# Altium PCB EMG_PCB.PcbDoc
Units mm, origin at the board's own origin, x right, y up, seen from the top; angles counter-clockwise.
Board outline 37.6 x 21.5 mm, 2 copper layers (Top Layer, Bottom Layer); 29 components, 23 nets, 87 pads, 161 vias.
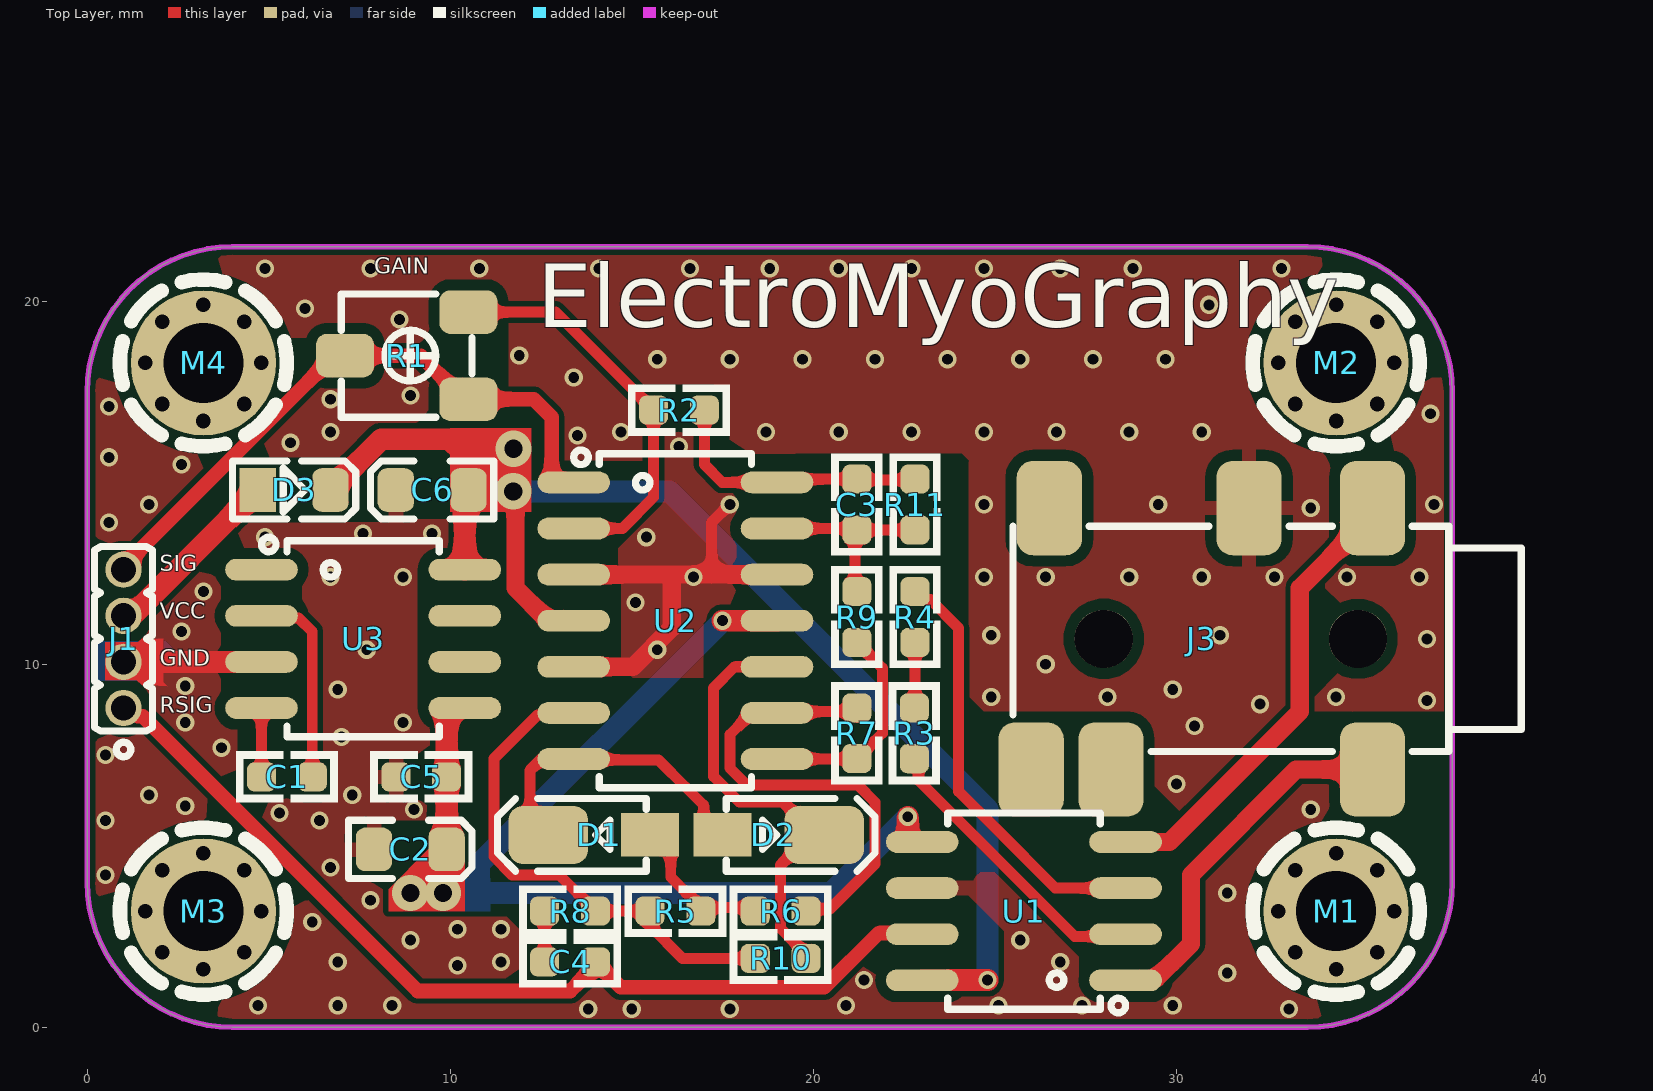
[diagram p0: Top Layer view]
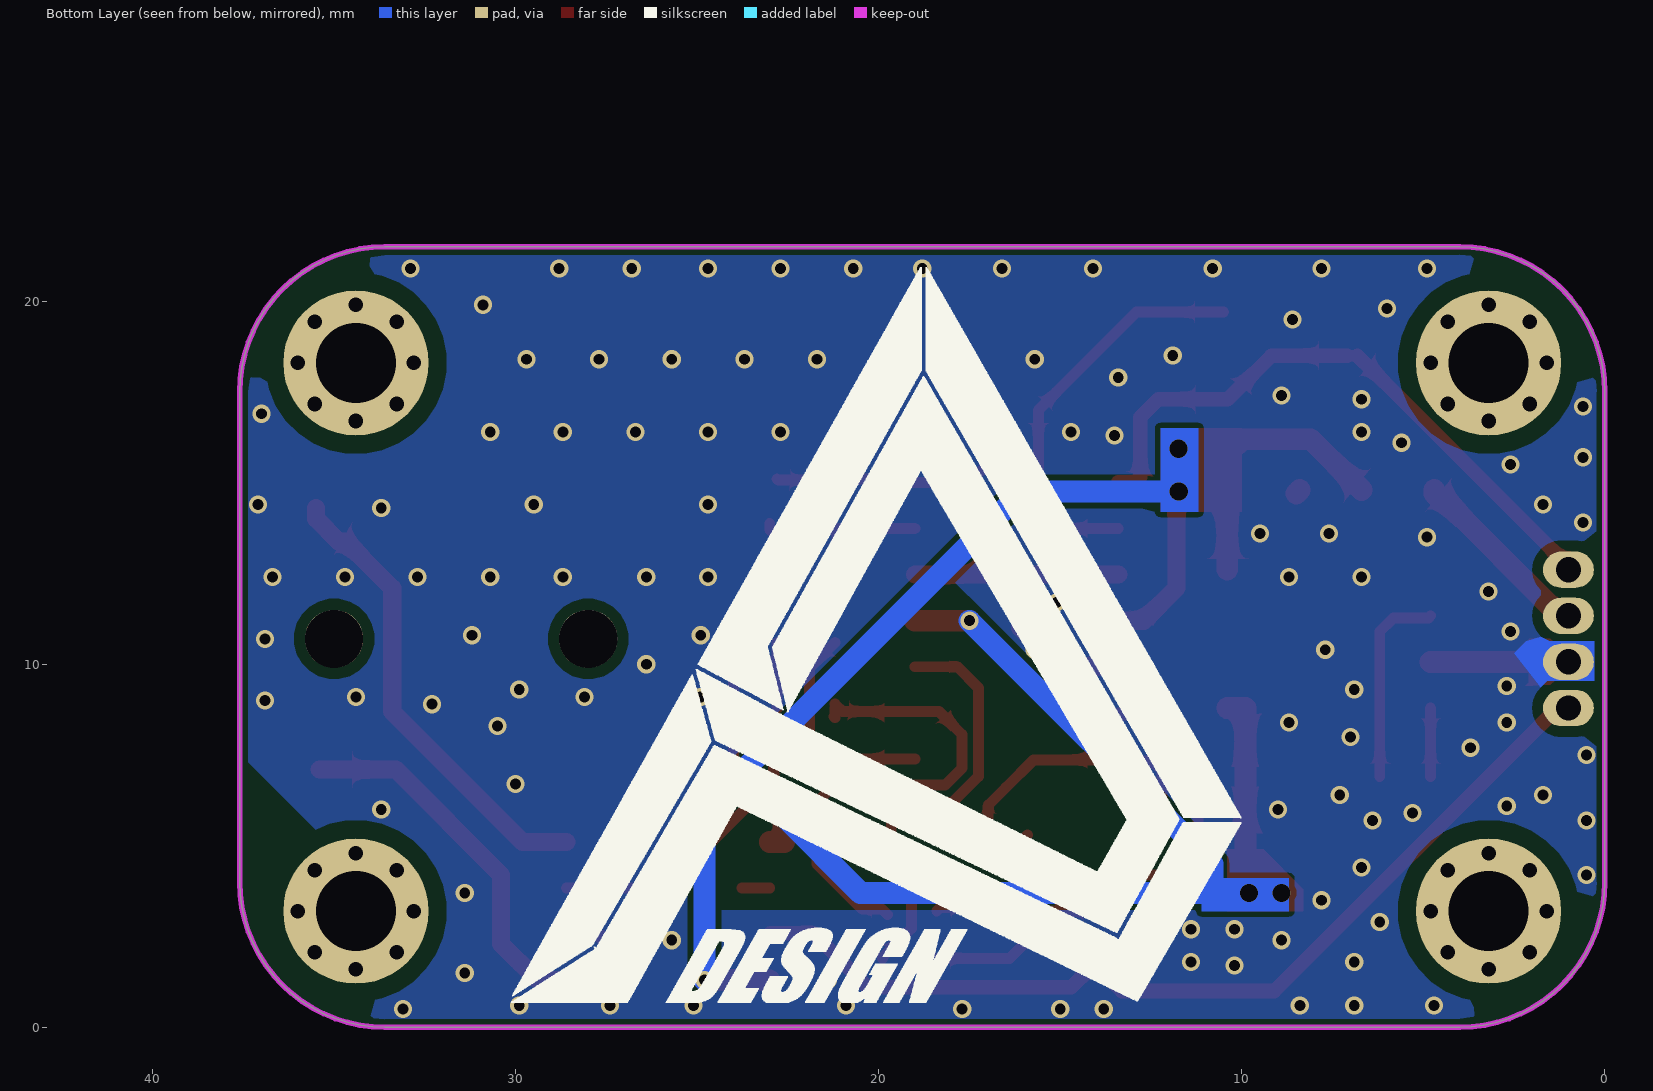
[diagram p1: Bottom Layer view, seen from below]

## Layer stack, top to bottom
Top Solder: solder mask 0.0102, Solder Resist, Dk 3.5
Top Layer: signal copper 0.0356
Dielectric 1: dielectric 0.32, FR-4, Dk 4.8
Bottom Layer: signal copper 0.0356
Bottom Solder: solder mask 0.0102, Solder Resist, Dk 3.5

## Board outline
0,4 ccw(c4,4) 4,0 33.6,0 ccw(c33.6,4) 37.6,4 37.6,17.5 ccw(c33.6,17.5) 33.6,21.5 4,21.5 ccw(c4,17.5) 0,17.5

## Design rules (kind name [scope] priority, off if disabled: settings)
Clearance [All] p1: gap=0.15 ignorepadtopadclearanceinfootprint=FALSE except(0.3: SMDPad-Poly THPad-Poly)
DiffPairsRouting [All] p1: maxlimit=0.254 minlimit=0.15 mostfreqgap=0.15 toplayer_minwidth=0.15 toplayer_maxwidth=10 toplayer_prefwidth=0.15 bottomlayer_minwidth=0.15 bottomlayer_maxwidth=10 bottomlayer_prefwidth=0.15 maxuncoupledlength=12.7
HoleSize [All] p1: absolutevalues=TRUE maxlimit=10 minlimit=0.5 maxpercent=80.000 minpercent=20.000
HoleToHoleClearance [All] p1: gap=0.3 allowstackedmicrovias=TRUE
PlaneClearance [All] p1: clearance=0.3
PlaneConnect [All] p1: planeconnectstyle=Relief reliefexpansion=0.5 reliefentries=4 reliefconductorwidth=0.4 reliefairgap=0.3
PolygonConnect PolygonConnect_Via [All vs IsVia] p1: connectstyle=Direct reliefconductorwidth=0.254 reliefentries=4 polygonreliefangle="90 Angle" airgapwidth=0.254
PolygonConnect PolygonConnect_Pad [All] p2: connectstyle=Relief reliefconductorwidth=0.4 reliefentries=4 polygonreliefangle="90 Angle" airgapwidth=0.3
RoomDefinition EMG_SCH [InComponentClass('EMG_SCH')] p1: confinementstyle=ConfineIn formatcopy=TRUE lockcomponents=FALSE outline 49.6,2.1 152.2,2.1 152.2,22.3 49.6,22.3
RoutingVias [All] p1: holewidth=3 width=0.5 viastyle="Through Hole" minholewidth=0.3 minwidth=0.5 maxholewidth=0.3 maxwidth=0.5
SolderMaskExpansion [All] p1: expansion=0.102 istentingtop=FALSE
Width [All] p1: maxlimit=10 minlimit=0.15 preferedwidth=0.15
25 further rules are at their usual default settings.

## Components (designator, comment, footprint, x,y, rotation, side; value= is the part's Value field where it differs from the comment)
C1 "10uF" C0603 5.5,6.9 r180 top
C2 "1uF" C_TN_2012 8.9,4.9 r180 top
C3 "1uF" C0603 21.2,14.4 r90 top
C4 "10nF" C0603 13.3,1.8 r180 top
C5 "10uF" C0603 9.2,6.9 r0 top
C6 "1uF" C_TN_2012 9.5,14.8 r0 top
D1 "1N4148" D_SOD123w 13.9,5.3 r180 top
D2 "1N4148" D_SOD123w 19.1,5.3 r0 top
D3 "BAS316" D_SOD323 5.7,14.8 r0 top
J1 "HDR1X4" HDRMINI_M_1X4 1,10.7 r90 top value=HDRMINI_4
J3 "AudioJack" JCKAS_PJ311D 29.6,10.7 r270 top
M1 "DNP/MH" SCMH_M2#1 34.4,3.2 r0 top
M2 "DNP/MH" SCMH_M2#2 34.4,18.3 r0 top
M3 "DNP/MH" SCMH_M2#2 3.2,3.2 r0 top
M4 "DNP/MH" SCMH_M2#2 3.2,18.3 r0 top
R1 "POT100K" POTS_3MM 8.9,18.5 r90 top
R2 "1K" R0603 16.3,17 r0 top
R3 "220" R0603 22.781,8.098 r270 top
R4 "20" R0603 22.8,11.3 r270 top
R5 "150K" R0603 16.2,3.2 r180 top
R6 "150K" R0603 19.1,3.2 r180 top
R7 "150K" R0603 21.2,8.1 r90 top
R8 "150K" R0603 13.3,3.2 r180 top
R9 "80.6K" R0603 21.2,11.3 r270 top
R10 "150K" R0603 19.1,1.9 r180 top
R11 "80.6K" R0603 22.8,14.4 r270 top
U1 "AD8221ARZ" SO_8 25.8,3.2 r180 top
U2 "TL084" SO_14 16.2,11.2 r0 top
U3 "ICL7660" SO_8 7.6,10.7 r0 top

## Footprints (in the part's own frame and the unit in brackets; to place one, negate y for a bottom-side part, rotate by r counter-clockwise, add the part's x,y. Pads: shape width x height; smd on the part's side, far side on the other; paste and mask are expansions set on the pad)
C0603 [mm] "CHIP Capacitor, 1.6X0.8mm, 0603 OPTIMIZED"
  rrect50% 0.8x0.8 smd paste-5 mask+0.075: 1(-0.7,0) 2(0.7,0)
  Top Layer pour cut-out: -0.5,0.4 0.5,0.4 0.5,-0.4 -0.5,-0.4
  silkscreen extent -1.4,-0.7 1.4,0.7, body extent -0.8,-0.4 0.8,0.4, height 0.9
C_TN_2012 [mm] "CAPACITOR, TAN N, TAN P, TAN R, 0805P, 2X1.3mm"
  rrect50% 1x1.2 smd mask+0.075: 1(-1,0) 2(1,0)
  Top Layer pour cut-out: -0.5,0.8 0.5,0.8 0.5,-0.8 -0.5,-0.8
  silkscreen extent -1.7,-0.8 1.7,0.8, body extent -1.04,-0.69 1.21,0.66, height 1.35
D_SOD123w [mm] "PowerDI-123, SOD123, DO-213AA, 1206D"
  rect 1.6x1.2 smd paste-0.1 mask+0.1: 1(-1.6,0)
  rrect50% 2.2x1.6 smd paste-0.1 mask+0.1: 2(1.2,0)
  Top Layer pour cut-out: -1.016,1.1 -1.016,-1.1 1.016,-1.1 1.016,1.1
  silkscreen extent -1.5,-1 2.6,1, body extent -1.95,-0.97 1.95,0.96, height 1
D_SOD323 [mm] "DIODE0805, SOD-323, SC-76, DL-35, 0805 similar size"
  rect 1x1.2 smd paste-2 mask+0.075: 1(-1,0)
  rrect50% 1x1.2 smd paste-2 mask+0.075: 2(1,0)
  Top Layer pour cut-out: -0.5,0.8 0.5,0.8 0.5,-0.8 -0.5,-0.8
  silkscreen extent -1.7,-0.8 1.7,0.8, body extent -1.25,-0.68 1.25,0.67, height 1
HDRMINI_M_1X4 [mm] "mini header (50mil pitch)"
  round 1 / inner round 1 / far side oval 1x1.4 hole 0.7 mask+0.05: 1(-1.905,0) 2(-0.635,0) 3(0.635,0) 4(1.905,0)
  silkscreen extent -3.25,-0.8 2.54,0.8, body extent -2.54,-0.64 2.54,0.64, height 7.3
JCKAS_PJ311D [mm] "Jack, Audio, Stereo, 3.5mm, RA, SMD"
  rrect50% 2.6x1.8 smd: 1(-3.6,5.8) 2(3.6,5.8) 3(-3.6,2.4) 4(3.6,-1.4) 5(3.6,-3.6) 6(-3.6,-3.1)
  round 1.6 hole 1.6 unplated: ""(0,5.4) ""(0,-1.6)
  silkscreen extent -3.1,-4.1 3.1,9.9, body extent -4.5,-6 4.5,13, height 5
POTS_3MM [mm] "POT SMD, 3.0X3.0mm, Trimming PVG3A PVZ3A"
  rrect50% 1.2x1.6 smd: 1(-1.2,-1.6) 2(0,1.8) 3(1.2,-1.6)
  silkscreen extent -1.7,-1.7 1.7,1.9, body extent -1.55,-1.85 1.55,1.84, height 1.95
R0603 [mm] "CHIP Resistor 1/10 WATT, 1.6x0.8mm, 0603, OPTIMIZED"
  rrect50% 0.8x0.8 smd paste-5 mask+0.075: 1(-0.7,0) 2(0.7,0)
  Top Layer pour cut-out: -0.5,0.4 0.5,0.4 0.5,-0.4 -0.5,-0.4
  silkscreen extent -1.4,-0.7 1.4,0.7, body extent -0.85,-0.4 0.85,0.4, height 0.56
SCMH_M2#1 [mm] "SCREW mouting, M2, 2.0mm diameter and 4.0mm PanHead"
  round 4 / inner round 2.5 / far side round 4 hole 2.2 mask+0.1: r(0,0)
  Top Layer pour cut-out: 0,2.5 -0.957,2.31 -1.768,1.768 -2.31,0.957 -2.5,0 -2.5,0 -2.31,-0.957 -1.768,-1.768 -0.957,-2.31 0,-2.5 0,-2.5 1.25,-2.165 2.165,-1.25 2.5,0 2.5,0 2.31,0.957 1.768,1.768 0.957,2.31 0,2.5
  Bottom Layer pour cut-out: 0,2.5 -0.957,2.31 -1.768,1.768 -2.31,0.957 -2.5,0 -2.5,0 -2.31,-0.957 -1.768,-1.768 -0.957,-2.31 0,-2.5 0,-2.5 1.25,-2.165 2.165,-1.25 2.5,0 2.5,0 2.31,0.957 1.768,1.768 0.957,2.31 0,2.5
  silkscreen extent -2.3,-2.3 2.3,2.3
SCMH_M2#2 [mm] "SCREW mouting, M2, 2.0mm diameter and 4.0mm PanHead"
  round 4 / inner round 2.5 / far side round 4 hole 2.2 mask+0.1: 1(0,0)
  Top Layer pour cut-out: 0,2.5 -0.957,2.31 -1.768,1.768 -2.31,0.957 -2.5,0 -2.5,0 -2.31,-0.957 -1.768,-1.768 -0.957,-2.31 0,-2.5 0,-2.5 1.25,-2.165 2.165,-1.25 2.5,0 2.5,0 2.31,0.957 1.768,1.768 0.957,2.31 0,2.5
  Bottom Layer pour cut-out: 0,2.5 -0.957,2.31 -1.768,1.768 -2.31,0.957 -2.5,0 -2.5,0 -2.31,-0.957 -1.768,-1.768 -0.957,-2.31 0,-2.5 0,-2.5 1.25,-2.165 2.165,-1.25 2.5,0 2.5,0 2.31,0.957 1.768,1.768 0.957,2.31 0,2.5
  silkscreen extent -2.3,-2.3 2.3,2.3
SO_8 [mm] "SOP-8, 5x3.9mm body 1.27mm pitch, SOT96-1, M08A, S8, SOIC8, VO8, MS-012AA(JEDEC), R-8, 8S2, VOG8"
  oval 2x0.6 smd: 1(-2.8,1.905) 2(-2.8,0.635) 3(-2.8,-0.635) 4(-2.8,-1.905) 5(2.8,-1.905) 6(2.8,-0.635) 7(2.8,0.635) 8(2.8,1.905)
  silkscreen extent -2.8,-2.7 2.1,2.8, body extent -3,-2.45 3,2.45, height 1.7
SO_14 [mm] "SOP, SOIC, 3.9mm width, 1.27mm pitch,"
  oval 2x0.6 smd: 1(-2.8,3.81) 2(-2.8,2.54) 3(-2.8,1.27) 4(-2.8,0) 5(-2.8,-1.27) 6(-2.8,-2.54) 7(-2.8,-3.81) 8(2.8,-3.81) 9(2.8,-2.54) 10(2.8,-1.27) 11(2.8,0) 12(2.8,1.27) 13(2.8,2.54) 14(2.8,3.81)
  silkscreen extent -2.8,-4.6 2.1,4.7, body extent -3.1,-4.38 3.1,4.37, height 1.75

## Part data
C1 C3 C4 C5: library part CAP_SMD_MLCC_0402, "CAP, MLCC, -F, -V, MATERIAL, -%, 0201", ASSEMBLY=ASSEMBLY, MANF=-, MANF_P#=MANF_PART#, PARAM="-, -%", PARAM2=-V, PRICE="100= 1$"
C2 C6: library part CAP_SMD_TAN_2012, "CAP, SMD, TAN,", PARAM2=-V
D1 D2: library part DIODE_SMD_1N4148WT_SOD523, "DIODE, FAST SWTICHING, 0.2A", ASSEMBLY=ASSEMBLY, DESC=DESCRIPTION, MANF="Diodes, MCC", MANF_P#="1N4148X-TP, 1N4148WT-7, 1N4148WTQ-7", PARAM=200~300mA, PARAM2=75V, PRICE=0.2$
D3: library part DIODE_SMD_SCHOTTKY_SS16HE, "DIODE, SCHOTTKY, 60V, 1A", ASSEMBLY=ASSEMBLY, DESC=DESCRIPTION, MANF=ON, MANF_P#=SS16HE, PARAM=1A, PARAM2="60V, -55~150oC", PRICE=0.4$
J1: library part HDRMINI_M_1X4, "CONN, HEADER, Male, pitch: 1.27mm, 4POS"
J3: library part JACKA3.5SMD_STX-3500-3, "Jack, Audio, Stereo, 3.5mm, RA, SMD", ASSEMBLY=ASSEMBLY, DESC=DESCRIPTION, DIST#=MOUSER, MANF=Kycon, MANF_P#=STX-3500-3NTR, PARAM=PARAM, PRICE=1.6$
M1 M2 M3 M4: library part SCMH_M2, "SCREW mouting, M2, 2.0mm diameter and 4.0mm PanHead", ASSEMBLY=DNP
R1: library part RES_SMD_POT, "RESISTOR, SMD, Potentiometer"
R2 R3 R4 R5 R6 R7 R8 R9 R10 R11: library part RES_SMD_0402, "RESISTOR, SMD", ASSEMBLY=ASSEMBLY, DESC=DESCRIPTION, DIST#=MOUSER, MANF=-, MANF_P#=-, PARAM=-W, PARAM2=1%, PRICE="100= 0.5$"
U1: library part AD8226, "Wide Supply Range, Rail-to-Rail / Output Instrumentation Amplifier", MANF="ANALOG DEVICES"
U2: "Low Cost JFET Input / Operational Amplifiers", MANF="ANALOG DEVICES"
U3: library part VREG_ICL7660_SOP8, "Voltage Converter +5V to ±5V Supplies", MANF=INTERSIL, MANF_P#=ICL7660AIBAZA, PARAM="0.04A. -40~85oC", PARAM2=1.5~12VIN, PRICE=1.8$

## Via types
v1: diameter 0.5/0.5 (per signal layer), hole 0.3, Top Layer to Bottom Layer, tented both sides, 87 vias
v2: diameter 0.5, hole 0.3, Top Layer to Bottom Layer, tented both sides, 38 vias
v3: diameter 0.6, hole 0.4, Top Layer to Bottom Layer, 32 vias
v4: diameter 1/0.5 (per signal layer), hole 0.5, Top Layer to Bottom Layer, tented both sides, 4 vias

## Nets (pads, with @x,y where several pads share a name; then routed paths per layer and width w, separated by ;. In a path a pad name is that pad's centre, name@x,y a point inside that pad or via, vN(x,y) a via of type N, cw(c..) or ccw(c..) an arc to the next point about the centre after c; other vN are vias at no path point)
+VS: C6.2 D3.2 U1.8 U2.4 U3.8 | length 36.7
  Top Layer w0.3: C6.2 C6.2@10.519,14.781
  Top Layer w0.5: C6.2@10.519,14.781 11.715,14.781 v4(11.734,14.761) 11.8,14.695 11.8,12.1 12.7,11.2 U2.4
  Top Layer w0.6: D3.2 8.099,16.199 9.976,16.199 10.328,15.847 10.328,14.872 C6.2@10.4,14.8 ; U3.8 C6.2@10.4,14.7 ; C6.2@10.5,14.7 C6.2 ; U1.8 23.7,1.295 23.705,1.3 v2(24.8,1.3)
  Bottom Layer w0.6: v4(11.734,14.761) 16.039,14.761 24.8,6 v2(24.8,1.3)
  other v4: 11.741,15.937
-VS: C2.1 C5.2 U1.5 U2.11 U3.5 | length 31.1
  Top Layer w0.6: C2.1 C5.2 9.9,8.795 U3.5 ; v2(17.5,11.2) 18.3,11.2 U2.11 ; v2(22.6,5.8) 22.6,5.105 U1.5
  Bottom Layer w0.6: v4(9.8,3.7) 10.5,3.7 ; v2(17.5,11.2) 10.8,4.5 10.8,4 10.5,3.7 ; v2(22.6,5.8) 20.5,3.7 10.5,3.7
  other v4: 8.9,3.7
END: J3.2 U1.1 | length 10.3
  Top Layer w0.5: U1.1 29.327,1.295 29.377,1.345 29.445,1.345 30.4,2.3 30.4,4.2 33.3,7.1 J3.2
GND: C2.2 C5.1 C6.1 J1.2 J3.3 U1.6 U2.3 U2.5 U2.12 U3.3 | length 17
  Top Layer w0.3: 16.1,12.37 16.2,12.47 ; 17.2,12.47 17.2,13.9 v2(17.7,14.4) ; U1.6 U1.6@23.765,3.835
  Top Layer w0.5: U2.5 15.03,9.93 16.1,11 16.1,12.37 ; U2.3 16.2,12.47 17.2,12.47 U2.12
  Top Layer w0.6: J1.2@1.1,10.065 2.7,10.065 U3.3 ; C6.1@8.4,14.8 C6.1@8.5,14.7
  other v1: 13.8,0.5 15,0.5 17.7,0.5 33.1,0.5 4.7,0.6 6.9,0.6 8.4,0.6 20.9,0.6 25.1,0.6 27.4,0.6 29.9,0.6 21.4,1.3 31.4,1.5 10.2,1.7 6.9,1.8 11.4,1.8 26.8,1.8 8.9,2.4 10.2,2.7 11.4,2.7 6.2,2.9 7.8,3.5 31.4,3.7 0.5,4.2 0.5,5.7 6.4,5.7 5.3,5.9 9,6 33.7,6 2.7,6.1 7.3,6.4 30,6.7 0.5,7.5 3.7,7.7 7,8 30.5,8.3 32.3,8.9 36.9,9 24.9,9.1 28.1,9.1 34.4,9.1 6.9,9.3 29.9,9.3 2.7,9.4 26.4,10 36.9,10.7 24.9,10.8 31.2,10.8 2.6,10.9 15.1,11.7 3.2,12 26.4,12.4 4.9,13.5 15.4,13.5 7.6,13.6 9.5,13.6 0.6,13.9 33.7,14.3 24.7,14.4 29.5,14.4 37.1,14.4 2.6,15.5 0.6,15.7 16.3,16 5.6,16.1 13.5,16.3 37,16.9 0.6,17.1 6.7,17.3 8.9,17.4 13.4,17.9 11.9,18.5 8.6,19.5 6,19.8 30.9,19.9 4.9,20.9 7.8,20.9 10.8,20.9 14.1,20.9 16.6,20.9 18.8,20.9 20.7,20.9 22.7,20.9 24.7,20.9 26.8,20.9 28.8,20.9 32.9,20.9
  other v2: 25.7,2.4 6.7,4.4 1.7,6.4 2.7,8.4 8.7,8.4 7.7,10.4 15.7,10.4 6.7,12.4 8.7,12.4 16.7,12.4 24.7,12.4 28.7,12.4 30.7,12.4 32.7,12.4 34.7,12.4 36.7,12.4 1.7,14.4 6.7,16.4 14.7,16.4 18.7,16.4 20.7,16.4 22.7,16.4 24.7,16.4 26.7,16.4 28.7,16.4 30.7,16.4 15.7,18.4 17.7,18.4 19.7,18.4 21.7,18.4 23.7,18.4 25.7,18.4 27.7,18.4 29.7,18.4
MID: J3.1 U1.4 | length 12.9
  Top Layer w0.5: U1.4 29.805,5.105 33.4,8.7 33.4,12.1 34.673,13.373 34.865,13.373 35.5,14.008 J3.1@35.5,14.3
NetC1_1: C1.1 U3.2 | length 5.6
  Top Layer w0.3: U3.2 4.857,11.278 5.822,11.278 6.2,10.9 C1.1
NetC1_2: C1.2 U3.4 | length 1.9
  Top Layer w0.3: C1.2 U3.4
NetC3_1: C3.1 R9.1 R11.2 U2.13 | length 5.7
  Top Layer w0.3: U2.13 21.14,13.74 21.146,13.734 21.146,12.054 R9.1 ; C3.1 21.206,13.694 22.794,13.694 R11.2 ; R11.2@23,13.7 R11.2@23,13.873
NetC4_2: C4.2 R8.2 | length 1.4
  Top Layer w0.3: C4.2 R8.2
NetD1_1: D1.1 R5.1 R6.2 | length 4.1
  Top Layer w0.3: D1.1@15.9,5.3 16.074,5.126 16.074,4.139 16.681,3.533 16.681,3.446 16.932,3.195 17.037,3.3 18.3,3.3 R6.2
NetD1_2: D1.2 D2.1 U2.7 | length 8.3
  Top Layer w0.3: D1.2@12.2,5.3 12.2,7.078 12.455,7.333 13.343,7.333 U2.7 13.425,7.365 15.735,7.365 16.5,6.6 16.982,6.118 16.982,5.75 17.432,5.3 D2.1
NetD2_2: D2.2 R10.1 U2.10 | length 11.7
  Top Layer w0.3: U2.10 17.83,9.93 17.25,9.35 17.25,6.914 17.964,6.2 19.174,6.2 19.652,5.722 19.652,5.026 19.1,4.474 19.1,2.727 19.65,2.177 19.9,1.927 R10.1@19.9,1.9
NetD3_1: D3.1 J1.3 | length 5.2
  Top Layer w0.6: J1.3 1.077,11.412 1.312,11.412 4.4,14.5 4.5,14.5 4.7,14.7 D3.1
NetR1_3: R1.3 R2.1 U2.2 | length 11.2
  Top Layer w0.3: R1.3 12.9,19.7 R2.1 15.6,14.6 14.74,13.74 U2.2
NetR3_1: R3.1 R4.2 | length 1.8
  Top Layer w0.3: R3.1 22.8,8.816 R4.2
NetR3_2: R3.2 U1.2 | length 7.6
  Top Layer w0.3: R3.2@22.902,7.398 22.902,6.798 27.2,2.5 U1.2@28.1,2.5
NetR4_1: R4.1 U1.3 | length 11.8
  Top Layer w0.3: R4.1 23.019,11.781 23.219,11.781 24,11 24,6.5 25,5.5 26.665,3.835 U1.3
NetR5_2: R5.2 R8.1 R10.2 U2.6 | length 14.2
  Top Layer w0.3: U2.6 13.343,8.603 12.403,8.603 11.2,7.4 11.2,4.7 11.7,4.2 13,4.2 R8.1 ; R8.1@14.116,3.2 R5.2@15.3,3.2 ; R5.2@15.695,3.005 R5.2 15.5,2.8 16.4,1.9 R10.2@18.6,1.9
NetR6_1: R6.1 R7.2 U2.9 | length 13.7
  Top Layer w0.3: R6.1@19.757,3.1 19.917,3.26 20.46,3.26 21.7,4.5 21.7,6.2 21.226,6.674 18.168,6.674 17.7,7.141 17.7,8.06 18.34,8.7 21,8.7 R7.2@21.2,8.9 ; R7.2 21.2,8.527 R7.2@21.233,8.56
RAW_SIG: C4.1 J1.1 U1.7 | length 26.4
  Top Layer w0.4: J1.1 1.162,8.795 1.388,8.57 1.53,8.57 9.1,1 13.3,1 13.8,1.5 13.8,1.6 C4.1 14.7,1.1 15.2,1.1 ; 15.3,1.1 20.3,1.1 21.796,2.596 U1.7@22.987,2.596
RECTIFY: R7.1 R9.2 U2.8 | length 5.9
  Top Layer w0.3: U2.8 R7.1@21.09,7.39 ; R7.1 21.9,8.1 21.9,9.9 R9.2
SIG: J1.4 R1.1 R1.2 U2.1 | length 17.3
  Top Layer w0.3: R1.2@6.819,18.5 R1.2
  Top Layer w0.4: J1.4 1,12.7 6.35,18.05 6.369,18.05 R1.2@6.819,18.5 ; R1.2 9.181,18.5 10.381,17.3 12.3,17.3 12.792,16.808 12.792,15.149 12.931,15.01 U2.1
SMOOTH: C3.2 R2.2 R11.1 U2.14 | length 7.5
  Top Layer w0.3: R2.2 17,15.5 17.49,15.01 U2.14 19.781,15.01 19.871,15.1 C3.2@21.1,15.1 ; C3.2 21.225,15.075 22.775,15.075 R11.1
pads on no net: J3. J3.4 J3.5 J3.6 M1.r M2.1 M3.1 M4.1 U3.1 U3.6 U3.7
copper on no net:
  other v3: 3.2,1.6 34.4,1.6 2.069,2.069 4.331,2.069 33.269,2.069 35.531,2.069 1.6,3.2 4.8,3.2 32.8,3.2 36,3.2 2.069,4.331 4.331,4.331 33.269,4.331 35.531,4.331 3.2,4.8 34.4,4.8 3.2,16.7 34.4,16.7 2.069,17.169 4.331,17.169 33.269,17.169 35.531,17.169 1.6,18.3 4.8,18.3 32.8,18.3 36,18.3 2.069,19.431 4.331,19.431 33.269,19.431 35.531,19.431 3.2,19.9 34.4,19.9

## Polygon pours and split planes (outlines as drawn)
GND on Top Layer "NONET_L-01_P-001" (solid, remove dead copper, pour order 0): 0,0 0.1,-0.1 40,-0.1 40,21.3 39.8,21.5 0,21.5
GND on Bottom Layer "NONET_L-01_P-001" (solid, remove dead copper, pour order 1): 40,21.6 0.3,21.6 -0.1,21.2 -0.1,0 40,0 40.1,0.1

## Keep-outs
Keep-Out Layer:
  the board outline again, w0.15

## Other copper
Top Layer:
  region net GND: 1.496,9.43 1.364,9.563 0.5,9.563 0.5,10.6 1.396,10.6 1.496,10.7 2.1,10.7 2.1,9.5 2.2,9.4
  pour cut-out: 5.5,15.7 5.505,15.705 6.305,15.705 6,15.4 5.5,15.4
  pour cut-out: 8.106,13.914 7.014,13.914 7.6,14.5
  pour cut-out: 10.4,3.047 11.553,3.047 11.89,2.71 11.89,1.89 12.4,2.4 12.2,2.6 12.2,3.6 11,3.6 10.8,3.8
  pour cut-out: 24.267,3.635 25.259,2.643 25.259,1.3 24.2,1.3 23.7,1.8 23.7,3.3
  pour cut-out: 24.113,4.271 25.032,4.268 24.5,4.8 24,4.8 24,4.7 23.9,4.6
  pour cut-out: 5,13.9 5.005,13.895 6.45,13.895 6.45,14.15 6.2,14.4
  pour cut-out: 14.624,12.773 14.624,13.192 14.956,13.524 14.88,13.6 14.4,13.6 14.4,13.4 14.2,13.2
  pour cut-out: 14.705,12.224 14.705,10.152 14.457,10.4 14.2,10.4 14.2,11.7 14.1,11.8
  pour cut-out: 9.095,8.795 9.095,12.605 9.995,12.605 10.1,12.5 9.9,12.3 9.9,8.795
  pour cut-out: 33.9,12.3 34.1,12.1 34.7,11.5 34.6,11.4 34.6,9.9 33.7,9 33.6,9 33.6,11.9 33.4,12.1
  pour cut-out: 29.311,6.736 30.085,5.962 30.085,5.746 29.716,5.376 29.209,5.883 28.765,5.883
  pour cut-out: 24.696,8.703 24.309,9.089 24.309,8.591 24.284,8.566
  pour cut-out: 19.7,15.8 17.8,15.8 17.8,15.4 18.1,15.1 19.871,15.1
  pour cut-out: 19.3,15.6 19.51,15.81 23,15.81 22.8,15.61 22.8,15.1 20.466,15.1 20.128,15.438
  pour cut-out: 15.336,17.697 15.348,17.71 17.2,17.71 17.71,17.2 17.7,17.19 17.7,15.6 18.6,15.6
  pour cut-out: 28.4,8.7 24.6,8.7 24.1,8.2 24.4,7.9 28.1,7.9
  pour cut-out: 26.64,2.63 26.64,2.622 27.315,1.947 27.568,2.2 27.6,2.2
  pour cut-out: 27.315,1.138 27.315,2.756 27.572,2.5 28.1,2.5
  pour cut-out: 34.854,8.681 34.835,8.7 33.4,8.7 33.4,8.4 32.7,7.7 32.9,7.5 32.9,7.1 34.9,7.1
  pour cut-out: 27.376,4.802 27.373,4.8 24,4.8 24,6.6 23.8,6.8 24.4,7.4 26.9,7.4 28.2,6.1
  pour cut-out: 35.5,8.7 38,8.7 37.9,8.6 37.9,0.3 36.9,0.3 35.6,1.6
  pour cut-out: 34.9,21.3 37.3,18.9 37.5,18.9 37.5,7.4 38.2,6.7 38.5,7 41.6,7 41.6,24.2 40.4,25.4
  pour cut-out: 24.284,8.566 24.284,15.584 24.3,15.6 24.09,15.81 23,15.81 23,11.1 21.7,9.8 22.2,9.3 22.2,8.1
  pour cut-out: 38,8.7 40.1,8.7 40.1,3.3 40.3,3.1 38,3.1
  pour cut-out: 29.456,6.09 29.4,6.146 29.4,7.8 28.595,7.8 28.395,7.6 28.6,7.395 28.6,5.7
  pour cut-out: 14.624,9.627 14.902,9.35 17.2,9.627
  pour cut-out: 24.204,8.996 24.284,8.916 24.284,4.6 24.2,4.6 21.6,7.2
  pour cut-out: 4.129,7.295 4.129,8.429 4.2,8.5 4.5,8.2 5,8.2 5,7.3
  pour cut-out: 16.108,6.078 17.358,7.328 17.808,6.878 17.808,5.978
  pour cut-out: 16.967,9.467 16.967,11.126 17.041,11.2 17.841,10.4 18.4,10.4
  pour cut-out: 30.505,5.071 29.728,5.848 29.728,4.928 29.1,4.3 29.4,4 30.8,4
  pour cut-out: 15.5,15.6 13.6,15.6 14.2,15 14.2,14.2 15.4,14.2 15.5,14.3
  pour cut-out: 28.6,7.6 27.239,7.6 27.239,6.8 27.7,5.4
  pour cut-out: 23.61,13.5 23.61,10.61 23.1,10.1 22,10.1 21.3,10.8 21.4,10.9 21.4,13.5
  pour cut-out: 11.604,19.394 11.604,17.606 11.4,17.811 9.438,17.811 9.438,18.563 9.198,18.803
  pour cut-out: 23.25,8.694 23.25,8.338 22.1,7.188 22.1,9.5
  pour cut-out: 12.6,8.8 12.4,8.6 12.4,4.1 11.5,3.2 11.3,3.2 9.9,3.2 9.9,8.4 9.8,8.5
  pour cut-out: 5.1,19.2 5.3,19 7.7,19 7.7,18.941 8.141,18.5 5.4,18.5 5.2,18.3
  region net -VS: 9.4,4.9 10.4,4.9 10.4,4.6 10.4,3.2 8.3,3.2 8.3,3.803
  region net +VS: 10,16.5 12.234,16.5 12.234,14.2 10,14.2
Bottom Layer:
  region net GND: 1.771,9.366 1.586,9.55 0.294,9.55 0.294,10.636 1.516,10.636 1.771,10.76 2.164,10.636 2.5,10.3
  pour cut-out: 17.176,11.524 17.951,12.3 18.1,12.3 18.1,11.9 18.3,11.7
  pour cut-out: 19.495,3.241 24.832,3.241 24.832,5.968 24.3,6.5 23.3,6.5
  pour cut-out: 35,21.3 37.4,18.9 37.4,7.2 38,6.6 38.7,7.3 41.8,7.3 41.8,24.3 39.6,26.5 37.9,24.8 35.3,24.8
  pour cut-out: 22.776,5.376 23.899,6.5 22.7,6.5 21.5,7.7
  pour cut-out: 18.4,12.5 23.4,7.5 20.8,4.9 14,4.9 14,5.6 12.8,6.8
  pour cut-out: 39.8,8.2 38.264,8.2 35.206,5.142 37.748,2.6 41.1,2.6
  pour cut-out: 13.8,7.2 13.8,6.5 15.2,5.1 20.2,5.1 20.2,4.8 18.9,3.5 18.4,4 10.8,4 10.8,4.5
  region net -VS: 8.7,3.2 11.1,3.2 11.1,4.1 8.7,4.1
  region net +VS: 11.2,14.2 12.236,14.2 12.235,14.201 12.235,16.496 11.204,16.496 11.2,16.5

## Silkscreen, mask and mechanical layers (free items; w line width, h text height)
Top Overlay:
  text "GAIN" at 7.9,20.609 h0.75
  text "ElectroMyoGraphy" at 12.4,18.7 h3
  text "SIG" at 2,12.409 h0.75
  text "VCC" at 2,11.108 h0.75
  text "GND" at 2,9.809 h0.75
  text "RSIG" at 2,8.509 h0.75
Bottom Overlay:
  drawing of 11 lines, arcs and shapes, not listed
Mechanical 2:
  the board outline again, w0.15